# EAGLE board Mk4 Final a Panel score (EAGLE 9.0.1), part 21 of 24 (continued)
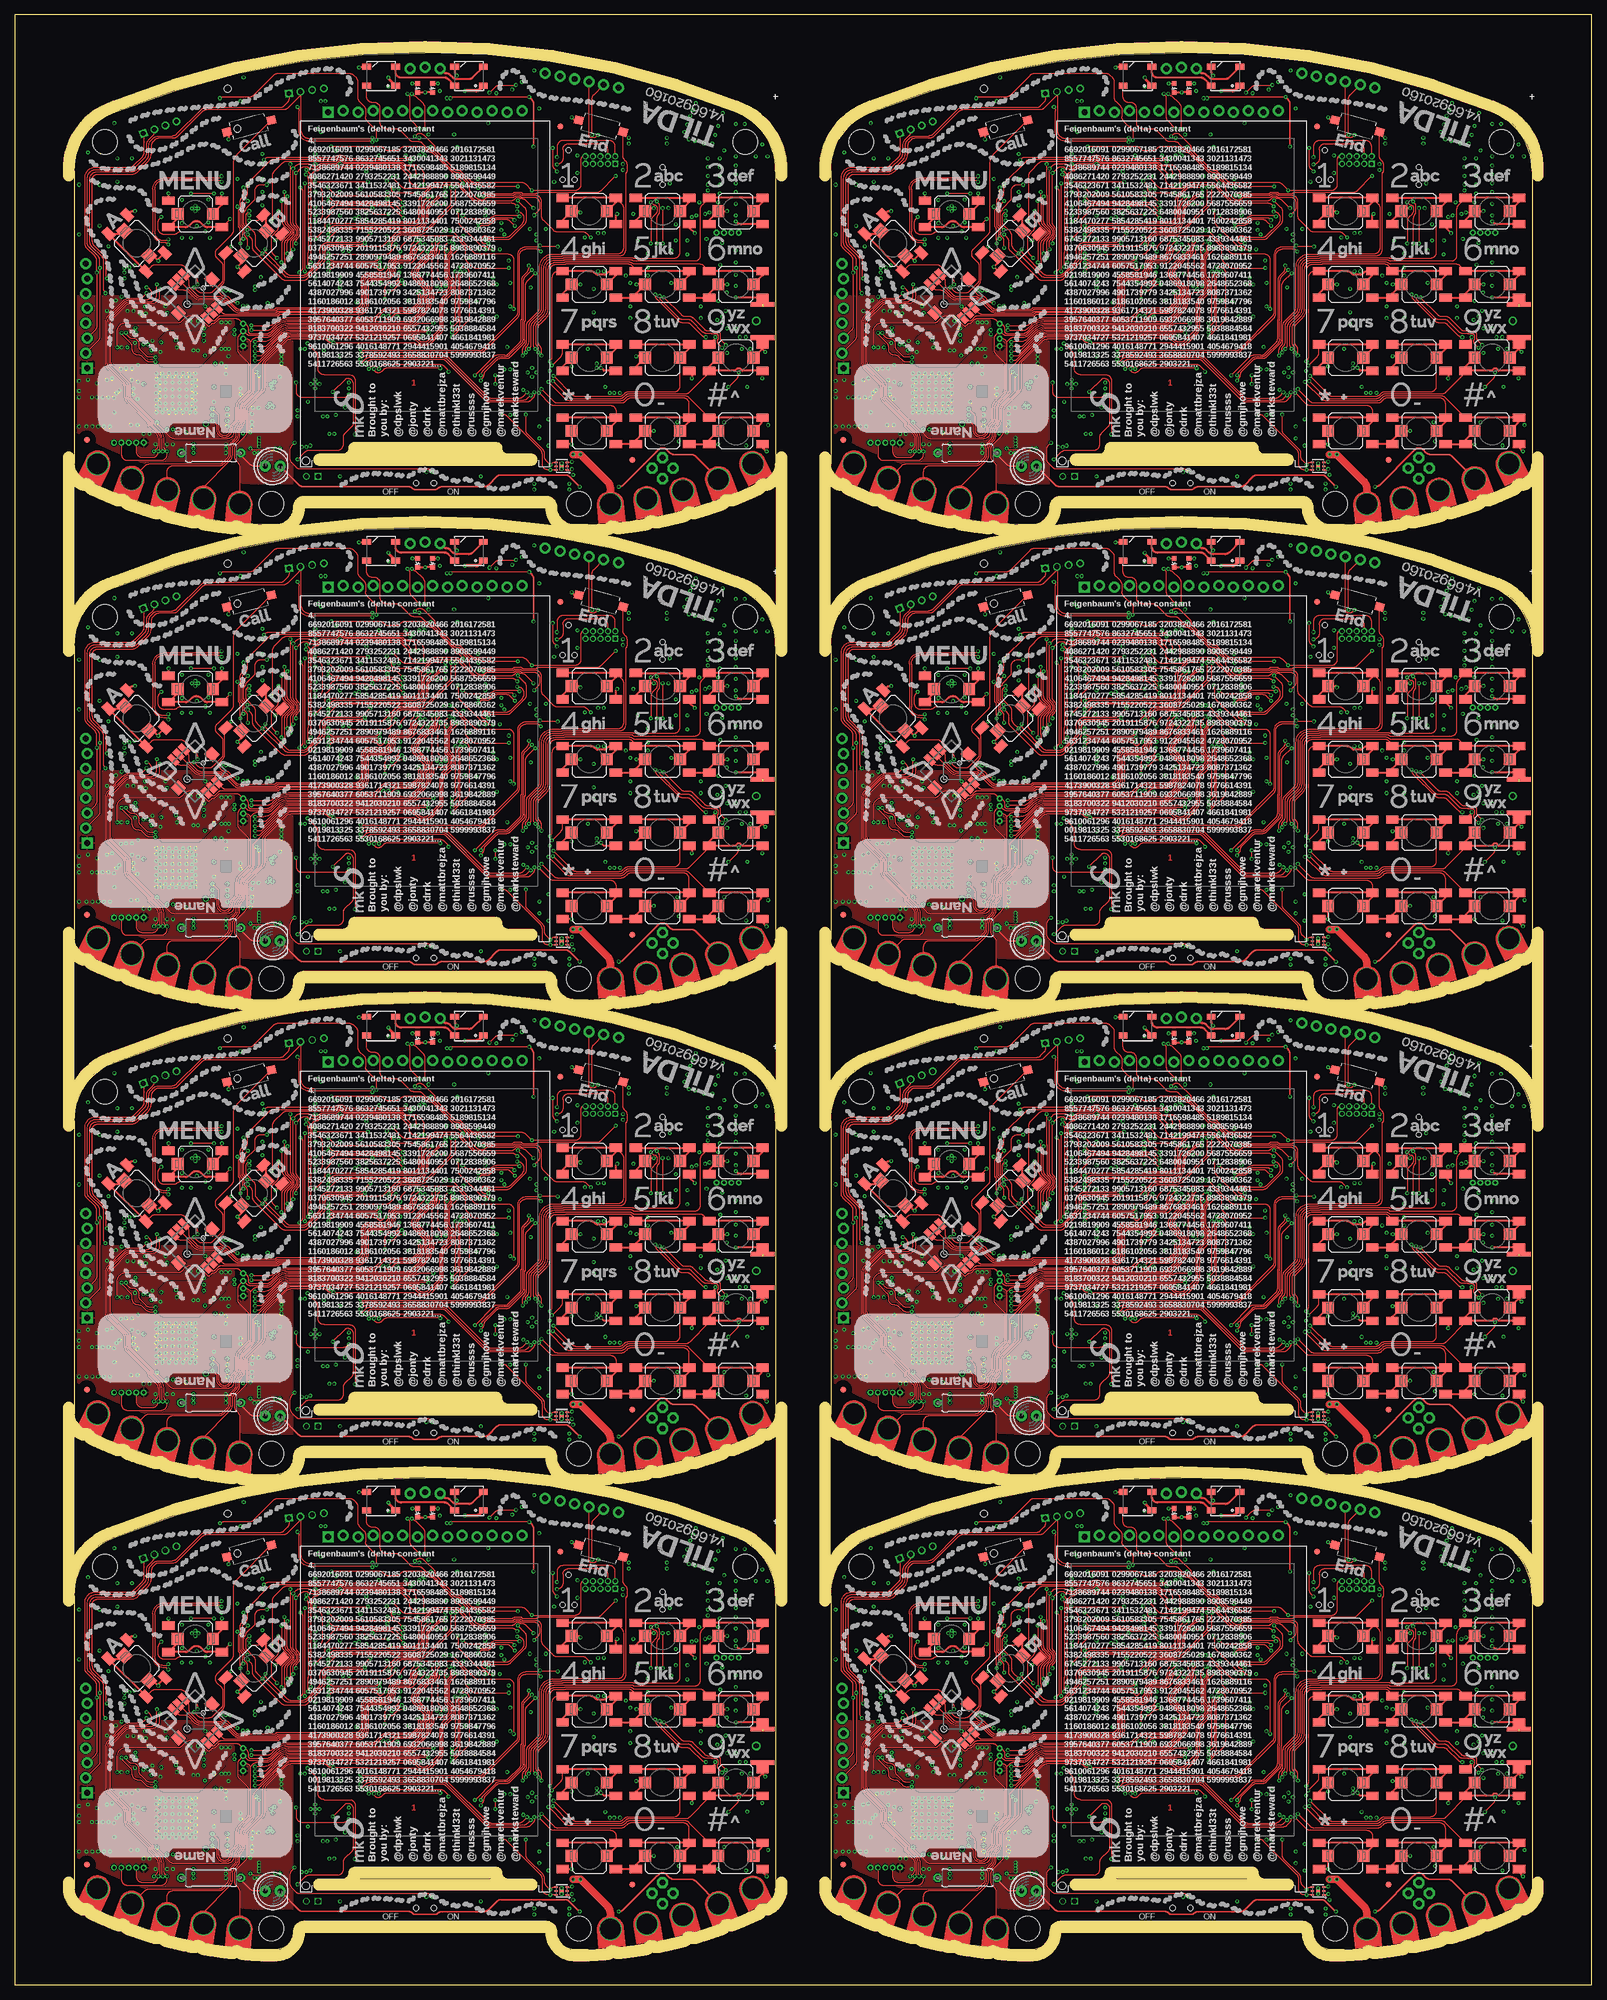
[diagram p0: board, top side]
## Tracks (layer width: path | path; a pad name or v marks a point on that pad's centre or on a via) (continued)
  Bottom 0.15: IC29.55 161.35,29.25 arc-90 162.35,28.25 162.35,26.35 arc45 162.41,26.21 162.47,26.15 arc-45 162.53,26.01 162.53,25.98 v162.75,25.75 R146.1 | IC20.116 202,57.6 arc90 201,56.6 v201,54.5
UART3_CC_RX2  (via drill 0.3)
  Top 0.15: v33.75,106.75 34.46,106.04 arc-45 34.75,105.34 34.75,103.25 arc90 35.75,102.25 35.8,102.25 arc90 36.8,103.25 arc-45 37.24,104.31 37.51,104.58 arc45 37.8,105.29 37.8,106.95 arc-45 38.31,108.19 39.66,109.53 arc45 39.95,110.24 39.95,114.14 arc45 39.66,114.84 38.29,116.21 arc-45 38,116.91 38,118.63 arc-45 38.29,119.33 JP25.3 39.04,120.04 39.48,119.59 arc45 40.19,119.3 42.94,119.3 arc45 43.82,119.67 44.68,120.52 arc-45 46.8,121.4 67.01,121.4 arc45 67.9,121.77 70.11,123.98 arc45 70.4,124.68 70.4,125.19 arc-45 70.55,125.55 70.75,125.75 arc45 70.9,126.11 70.9,126.98 arc45 70.53,127.87 69.1,129.3 arc-90 69.1,130.71 71.45,133.06 arc45 71.6,133.42 71.6,133.43 arc-45 71.75,133.78 arc45 71.83,133.97 71.83,135.12 arc-45 71.97,135.47 v72,135.5
  Bottom 0.15: IC47.55 32.35,110.25 arc-90 33.35,109.25 33.35,107.35 arc45 33.41,107.21 33.47,107.15 arc-45 33.52,107.01 33.52,106.97 v33.75,106.75 R224.1 | IC38.116 73,138.6 arc90 72,137.6 v72,135.5
UART3_CC_RX3  (via drill 0.3)
  Top 0.15: v162.75,106.75 163.46,106.04 arc-45 163.75,105.34 163.75,103.25 arc90 164.75,102.25 164.8,102.25 arc90 165.8,103.25 arc-45 166.24,104.31 166.51,104.58 arc45 166.8,105.29 166.8,106.95 arc-45 167.31,108.19 168.66,109.53 arc45 168.95,110.24 168.95,114.14 arc45 168.66,114.84 167.29,116.21 arc-45 167,116.91 167,118.63 arc-45 167.29,119.33 JP34.3 168.04,120.04 168.48,119.59 arc45 169.19,119.3 171.94,119.3 arc45 172.82,119.67 173.68,120.52 arc-45 175.8,121.4 196.01,121.4 arc45 196.9,121.77 199.11,123.98 arc45 199.4,124.68 199.4,125.19 arc-45 199.55,125.55 199.75,125.75 arc45 199.9,126.11 199.9,126.98 arc45 199.53,127.87 198.1,129.3 arc-90 198.1,130.71 200.45,133.06 arc45 200.6,133.42 200.6,133.43 arc-45 200.75,133.78 arc45 200.82,133.97 200.82,135.12 arc-45 200.97,135.47 v201,135.5
  Bottom 0.15: IC65.55 161.35,110.25 arc-90 162.35,109.25 162.35,107.35 arc45 162.41,107.21 162.47,107.15 arc-45 162.53,107.01 162.53,106.97 v162.75,106.75 R302.1 | IC56.116 202,138.6 arc90 201,137.6 v201,135.5
UART3_CC_RX4  (via drill 0.3)
  Top 0.15: v33.75,187.75 34.46,187.04 arc-45 34.75,186.34 34.75,184.25 arc90 35.75,183.25 35.8,183.25 arc90 36.8,184.25 arc-45 37.24,185.31 37.51,185.58 arc45 37.8,186.29 37.8,187.95 arc-45 38.31,189.19 39.66,190.53 arc45 39.95,191.24 39.95,195.14 arc45 39.66,195.84 38.29,197.21 arc-45 38,197.91 38,199.63 arc-45 38.29,200.33 JP43.3 39.04,201.04 39.48,200.59 arc45 40.19,200.3 42.94,200.3 arc45 43.82,200.67 44.68,201.52 arc-45 46.8,202.4 67.01,202.4 arc45 67.9,202.77 70.11,204.98 arc45 70.4,205.68 70.4,206.19 arc-45 70.55,206.55 70.75,206.75 arc45 70.9,207.11 70.9,207.98 arc45 70.53,208.87 69.1,210.3 arc-90 69.1,211.71 71.45,214.06 arc45 71.6,214.42 71.6,214.43 arc-45 71.75,214.78 arc45 71.83,214.97 71.83,216.12 arc-45 71.97,216.47 v72,216.5
  Bottom 0.15: IC83.55 32.35,191.25 arc-90 33.35,190.25 33.35,188.35 arc45 33.41,188.21 33.47,188.15 arc-45 33.52,188.01 33.52,187.97 v33.75,187.75 R380.1 | IC74.116 73,219.6 arc90 72,218.6 v72,216.5
UART3_CC_RX5  (via drill 0.3)
  Top 0.15: v162.75,187.75 163.46,187.04 arc-45 163.75,186.34 163.75,184.25 arc90 164.75,183.25 164.8,183.25 arc90 165.8,184.25 arc-45 166.24,185.31 166.51,185.58 arc45 166.8,186.29 166.8,187.95 arc-45 167.31,189.19 168.66,190.53 arc45 168.95,191.24 168.95,195.14 arc45 168.66,195.84 167.29,197.21 arc-45 167,197.91 167,199.63 arc-45 167.29,200.33 JP52.3 168.04,201.04 168.48,200.59 arc45 169.19,200.3 171.94,200.3 arc45 172.82,200.67 173.68,201.52 arc-45 175.8,202.4 196.01,202.4 arc45 196.9,202.77 199.11,204.98 arc45 199.4,205.68 199.4,206.19 arc-45 199.55,206.55 199.75,206.75 arc45 199.9,207.11 199.9,207.98 arc45 199.53,208.87 198.1,210.3 arc-90 198.1,211.71 200.45,214.06 arc45 200.6,214.42 200.6,214.43 arc-45 200.75,214.78 arc45 200.82,214.97 200.82,216.12 arc-45 200.97,216.47 v201,216.5
  Bottom 0.15: IC101.55 161.35,191.25 arc-90 162.35,190.25 162.35,188.35 arc45 162.41,188.21 162.47,188.15 arc-45 162.53,188.01 162.53,187.97 v162.75,187.75 R458.1 | IC92.116 202,219.6 arc90 201,218.6 v201,216.5
UART3_CC_RX6  (via drill 0.3)
  Top 0.15: v33.75,268.75 34.46,268.04 arc-45 34.75,267.34 34.75,265.25 arc90 35.75,264.25 35.8,264.25 arc90 36.8,265.25 arc-45 37.24,266.31 37.51,266.58 arc45 37.8,267.29 37.8,268.95 arc-45 38.31,270.19 39.66,271.53 arc45 39.95,272.24 39.95,276.14 arc45 39.66,276.84 38.29,278.21 arc-45 38,278.91 38,280.63 arc-45 38.29,281.33 JP61.3 39.04,282.04 39.48,281.59 arc45 40.19,281.3 42.94,281.3 arc45 43.82,281.67 44.68,282.52 arc-45 46.8,283.4 67.01,283.4 arc45 67.9,283.77 70.11,285.98 arc45 70.4,286.68 70.4,287.19 arc-45 70.55,287.55 70.75,287.75 arc45 70.9,288.11 70.9,288.98 arc45 70.53,289.87 69.1,291.3 arc-90 69.1,292.71 71.45,295.06 arc45 71.6,295.42 71.6,295.43 arc-45 71.75,295.78 arc45 71.83,295.97 71.83,297.12 arc-45 71.97,297.47 v72,297.5
  Bottom 0.15: IC119.55 32.35,272.25 arc-90 33.35,271.25 33.35,269.35 arc45 33.41,269.21 33.47,269.15 arc-45 33.52,269.01 33.52,268.98 v33.75,268.75 R536.1 | IC110.116 73,300.6 arc90 72,299.6 v72,297.5
UART3_CC_RX7  (via drill 0.3)
  Top 0.15: v162.75,268.75 163.46,268.04 arc-45 163.75,267.34 163.75,265.25 arc90 164.75,264.25 164.8,264.25 arc90 165.8,265.25 arc-45 166.24,266.31 166.51,266.58 arc45 166.8,267.29 166.8,268.95 arc-45 167.31,270.19 168.66,271.53 arc45 168.95,272.24 168.95,276.14 arc45 168.66,276.84 167.29,278.21 arc-45 167,278.91 167,280.63 arc-45 167.29,281.33 JP70.3 168.04,282.04 168.48,281.59 arc45 169.19,281.3 171.94,281.3 arc45 172.82,281.67 173.68,282.52 arc-45 175.8,283.4 196.01,283.4 arc45 196.9,283.77 199.11,285.98 arc45 199.4,286.68 199.4,287.19 arc-45 199.55,287.55 199.75,287.75 arc45 199.9,288.11 199.9,288.98 arc45 199.53,289.87 198.1,291.3 arc-90 198.1,292.71 200.45,295.06 arc45 200.6,295.42 200.6,295.43 arc-45 200.75,295.78 arc45 200.82,295.97 200.82,297.12 arc-45 200.97,297.47 v201,297.5
  Bottom 0.15: IC137.55 161.35,272.25 arc-90 162.35,271.25 162.35,269.35 arc45 162.41,269.21 162.47,269.15 arc-45 162.53,269.01 162.53,268.98 v162.75,268.75 R614.1 | IC128.116 202,300.6 arc90 201,299.6 v201,297.5
UART3_CC_TX  (via drill 0.3)
  Top 0.15: v33.75,23.75 34.45,23.05 34.45,22.2 arc90 35.7,20.95 35.85,20.95 arc90 37.1,22.2 arc-45 37.49,23.14 37.73,23.38 arc45 38.1,24.27 38.1,25.62 arc-45 38.76,27.21 39.88,28.33 arc45 40.25,29.22 40.25,37.25 | 40.25,37.25 40.71,37.71 arc-45 41.41,38 42.96,38 arc45 44.02,38.44 44.88,39.3 arc-45 46.82,40.1 67.03,40.1 arc45 68.09,40.54 70.41,42.85 arc45 70.7,43.56 70.7,44.02 arc-45 70.85,44.37 71.05,44.58 arc45 71.2,44.93 71.2,51.09 arc-45 71.41,51.59 71.75,51.94 arc45 71.9,52.29 71.9,52.3 arc-45 72.05,52.66 arc45 72.12,52.84 72.12,53.67 arc-45 72.27,54.02 v72.75,54.5 | JP5.2 39.32,37.77 arc-45 40.02,37.48 40.25,37.25
  Bottom 0.15: IC15.57 arc-90 32.65,27.55 32.65,26.06 arc45 32.71,25.92 32.77,25.86 arc-45 32.83,25.72 32.83,25.09 arc45 33.12,24.38 v33.75,23.75 R69.1 | v72.75,54.5 72.75,56.27 arc-90 73.75,57.27 75.62,57.27 75.69,57.2 IC1.117
UART3_CC_TX1  (via drill 0.3)
  Top 0.15: v162.75,23.75 163.45,23.05 163.45,22.2 arc90 164.7,20.95 164.85,20.95 arc90 166.1,22.2 arc-45 166.49,23.14 166.73,23.38 arc45 167.1,24.27 167.1,25.62 arc-45 167.76,27.21 168.88,28.33 arc45 169.25,29.22 169.25,37.25 | 169.25,37.25 169.71,37.71 arc-45 170.41,38 171.96,38 arc45 173.02,38.44 173.88,39.3 arc-45 175.82,40.1 196.03,40.1 arc45 197.09,40.54 199.41,42.85 arc45 199.7,43.56 199.7,44.02 arc-45 199.85,44.37 200.05,44.58 arc45 200.2,44.93 200.2,51.09 arc-45 200.41,51.59 200.75,51.94 arc45 200.9,52.29 200.9,52.3 arc-45 201.05,52.66 arc45 201.12,52.84 201.12,53.67 arc-45 201.27,54.02 v201.75,54.5 | JP16.2 168.32,37.77 arc-45 169.02,37.48 169.25,37.25
  Bottom 0.15: IC29.57 arc-90 161.65,27.55 161.65,26.06 arc45 161.71,25.92 161.77,25.86 arc-45 161.82,25.72 161.82,25.09 arc45 162.12,24.38 v162.75,23.75 R147.1 | v201.75,54.5 201.75,56.27 arc-90 202.75,57.27 204.62,57.27 204.69,57.2 IC20.117
UART3_CC_TX2  (via drill 0.3)
  Top 0.15: v33.75,104.75 34.45,104.05 34.45,103.2 arc90 35.7,101.95 35.85,101.95 arc90 37.1,103.2 arc-45 37.49,104.14 37.73,104.38 arc45 38.1,105.27 38.1,106.62 arc-45 38.76,108.21 39.88,109.33 arc45 40.25,110.22 40.25,118.25 | 40.25,118.25 40.71,118.71 arc-45 41.41,119 42.96,119 arc45 44.02,119.44 44.88,120.3 arc-45 46.82,121.1 67.03,121.1 arc45 68.09,121.54 70.41,123.85 arc45 70.7,124.56 70.7,125.02 arc-45 70.85,125.37 71.05,125.58 arc45 71.2,125.93 71.2,132.09 arc-45 71.41,132.59 71.75,132.94 arc45 71.9,133.29 71.9,133.3 arc-45 72.05,133.66 arc45 72.12,133.84 72.12,134.67 arc-45 72.27,135.02 v72.75,135.5 | JP25.2 39.32,118.77 arc-45 40.02,118.48 40.25,118.25
  Bottom 0.15: IC47.57 arc-90 32.65,108.55 32.65,107.06 arc45 32.71,106.92 32.77,106.86 arc-45 32.83,106.72 32.83,106.09 arc45 33.12,105.38 v33.75,104.75 R225.1 | v72.75,135.5 72.75,137.28 arc-90 73.75,138.28 75.62,138.28 75.69,138.2 IC38.117
UART3_CC_TX3  (via drill 0.3)
  Top 0.15: v162.75,104.75 163.45,104.05 163.45,103.2 arc90 164.7,101.95 164.85,101.95 arc90 166.1,103.2 arc-45 166.49,104.14 166.73,104.38 arc45 167.1,105.27 167.1,106.62 arc-45 167.76,108.21 168.88,109.33 arc45 169.25,110.22 169.25,118.25 | 169.25,118.25 169.71,118.71 arc-45 170.41,119 171.96,119 arc45 173.02,119.44 173.88,120.3 arc-45 175.82,121.1 196.03,121.1 arc45 197.09,121.54 199.41,123.85 arc45 199.7,124.56 199.7,125.02 arc-45 199.85,125.37 200.05,125.58 arc45 200.2,125.93 200.2,132.09 arc-45 200.41,132.59 200.75,132.94 arc45 200.9,133.29 200.9,133.3 arc-45 201.05,133.66 arc45 201.12,133.84 201.12,134.67 arc-45 201.27,135.02 v201.75,135.5 | JP34.2 168.32,118.77 arc-45 169.02,118.48 169.25,118.25
  Bottom 0.15: IC65.57 arc-90 161.65,108.55 161.65,107.06 arc45 161.71,106.92 161.77,106.86 arc-45 161.82,106.72 161.82,106.09 arc45 162.12,105.38 v162.75,104.75 R303.1 | v201.75,135.5 201.75,137.28 arc-90 202.75,138.28 204.62,138.28 204.69,138.2 IC56.117
UART3_CC_TX4  (via drill 0.3)
  Top 0.15: v33.75,185.75 34.45,185.05 34.45,184.2 arc90 35.7,182.95 35.85,182.95 arc90 37.1,184.2 arc-45 37.49,185.14 37.73,185.38 arc45 38.1,186.27 38.1,187.62 arc-45 38.76,189.21 39.88,190.33 arc45 40.25,191.22 40.25,199.25 | 40.25,199.25 40.71,199.71 arc-45 41.41,200 42.96,200 arc45 44.02,200.44 44.88,201.29 arc-45 46.82,202.1 67.03,202.1 arc45 68.09,202.54 70.41,204.85 arc45 70.7,205.56 70.7,206.02 arc-45 70.85,206.37 71.05,206.58 arc45 71.2,206.93 71.2,213.09 arc-45 71.41,213.59 71.75,213.94 arc45 71.9,214.29 71.9,214.3 arc-45 72.05,214.66 arc45 72.12,214.84 72.12,215.67 arc-45 72.27,216.02 v72.75,216.5 | JP43.2 39.32,199.77 arc-45 40.02,199.48 40.25,199.25
  Bottom 0.15: IC83.57 arc-90 32.65,189.55 32.65,188.06 arc45 32.71,187.92 32.77,187.86 arc-45 32.83,187.72 32.83,187.09 arc45 33.12,186.38 v33.75,185.75 R381.1 | v72.75,216.5 72.75,218.28 arc-90 73.75,219.28 75.62,219.28 75.69,219.2 IC74.117
UART3_CC_TX5  (via drill 0.3)
  Top 0.15: v162.75,185.75 163.45,185.05 163.45,184.2 arc90 164.7,182.95 164.85,182.95 arc90 166.1,184.2 arc-45 166.49,185.14 166.73,185.38 arc45 167.1,186.27 167.1,187.62 arc-45 167.76,189.21 168.88,190.33 arc45 169.25,191.22 169.25,199.25 | 169.25,199.25 169.71,199.71 arc-45 170.41,200 171.96,200 arc45 173.02,200.44 173.88,201.29 arc-45 175.82,202.1 196.03,202.1 arc45 197.09,202.54 199.41,204.85 arc45 199.7,205.56 199.7,206.02 arc-45 199.85,206.37 200.05,206.58 arc45 200.2,206.93 200.2,213.09 arc-45 200.41,213.59 200.75,213.94 arc45 200.9,214.29 200.9,214.3 arc-45 201.05,214.66 arc45 201.12,214.84 201.12,215.67 arc-45 201.27,216.02 v201.75,216.5 | JP52.2 168.32,199.77 arc-45 169.02,199.48 169.25,199.25
  Bottom 0.15: IC101.57 arc-90 161.65,189.55 161.65,188.06 arc45 161.71,187.92 161.77,187.86 arc-45 161.82,187.72 161.82,187.09 arc45 162.12,186.38 v162.75,185.75 R459.1 | v201.75,216.5 201.75,218.28 arc-90 202.75,219.28 204.62,219.28 204.69,219.2 IC92.117
UART3_CC_TX6  (via drill 0.3)
  Top 0.15: v33.75,266.75 34.45,266.05 34.45,265.2 arc90 35.7,263.95 35.85,263.95 arc90 37.1,265.2 arc-45 37.49,266.14 37.73,266.38 arc45 38.1,267.27 38.1,268.62 arc-45 38.76,270.21 39.88,271.33 arc45 40.25,272.22 40.25,280.25 | 40.25,280.25 40.71,280.71 arc-45 41.41,281 42.96,281 arc45 44.02,281.44 44.88,282.3 arc-45 46.82,283.1 67.03,283.1 arc45 68.09,283.54 70.41,285.85 arc45 70.7,286.56 70.7,287.02 arc-45 70.85,287.37 71.05,287.58 arc45 71.2,287.93 71.2,294.09 arc-45 71.41,294.59 71.75,294.94 arc45 71.9,295.29 71.9,295.3 arc-45 72.05,295.65 arc45 72.12,295.85 72.12,296.67 arc-45 72.27,297.02 v72.75,297.5 | JP61.2 39.32,280.77 arc-45 40.02,280.48 40.25,280.25
  Bottom 0.15: IC119.57 arc-90 32.65,270.55 32.65,269.06 arc45 32.71,268.92 32.77,268.86 arc-45 32.83,268.72 32.83,268.09 arc45 33.12,267.38 v33.75,266.75 R537.1 | v72.75,297.5 72.75,299.27 arc-90 73.75,300.27 75.62,300.27 75.69,300.2 IC110.117
UART3_CC_TX7  (via drill 0.3)
  Top 0.15: v162.75,266.75 163.45,266.05 163.45,265.2 arc90 164.7,263.95 164.85,263.95 arc90 166.1,265.2 arc-45 166.49,266.14 166.73,266.38 arc45 167.1,267.27 167.1,268.62 arc-45 167.76,270.21 168.88,271.33 arc45 169.25,272.22 169.25,280.25 | 169.25,280.25 169.71,280.71 arc-45 170.41,281 171.96,281 arc45 173.02,281.44 173.88,282.3 arc-45 175.82,283.1 196.03,283.1 arc45 197.09,283.54 199.41,285.85 arc45 199.7,286.56 199.7,287.02 arc-45 199.85,287.37 200.05,287.58 arc45 200.2,287.93 200.2,294.09 arc-45 200.41,294.59 200.75,294.94 arc45 200.9,295.29 200.9,295.3 arc-45 201.05,295.65 arc45 201.12,295.85 201.12,296.67 arc-45 201.27,297.02 v201.75,297.5 | JP70.2 168.32,280.77 arc-45 169.02,280.48 169.25,280.25
  Bottom 0.15: IC137.57 arc-90 161.65,270.55 161.65,269.06 arc45 161.71,268.92 161.77,268.86 arc-45 161.82,268.72 161.82,268.09 arc45 162.12,267.38 v162.75,266.75 R615.1 | v201.75,297.5 201.75,299.27 arc-90 202.75,300.27 204.62,300.27 204.69,300.2 IC128.117
UART4_EXT_RX  (via drill 0.3)
  Top 0.15: PCB.CH3 26.04,15.1 arc-90 27.04,16.1 34.88,16.1 arc45 35.77,16.47 36.48,17.18 arc45 36.85,18.07 36.85,18.93 arc-45 37.29,19.99 37.73,20.43 arc45 38.1,21.32 38.1,21.86 arc-45 38.47,22.74 arc45 39,24.03 39,25.55 arc-45 39.44,26.61 41.41,28.58 arc45 41.7,29.29 v41.7,31.5 | v69.4,45.7 69.35,45.65 arc45 69.2,45.29 69.2,44.37 arc-45 68.83,43.48 68.42,43.07 arc-45 67.53,42.7 63.61,42.7 arc45 62.91,42.41 61.87,41.37 arc-45 60.98,41 46.76,41 arc45 44.38,40.08 43.8,39.49 arc-45 43.09,39.2 v40.4,39.2
  Top 0.2: J10.1 arc-45 22.1,72.32 22.1,69.51 arc-45 21.81,68.81 20.29,67.29 arc-45 19.59,67 13.75,67 arc90 12,65.25 12,53.91 arc45 12.29,53.21 13.71,51.79 arc-45 14,51.09 v14,49 14,39.87 arc-45 13.71,39.16 JP6.3
  3V3@2 0.15: 26,11.87 PCB.CH3 | v40.4,39.2 40.3,39.2 39.75,39.75 39.75,40.73 38.95,41.53 v38.95,43.35 | v18.7,49 v14,49
  Bottom 0.15: v69.4,45.7 69.32,45.78 arc-45 69.18,46.13 69.18,47.37 arc45 69.03,47.72 68.85,47.9 arc-45 68.7,48.26 68.7,49.26 arc-45 68.99,49.97 69.11,50.08 arc45 69.4,50.79 IC1.18 | v40.4,39.2 arc-45 40.91,38.99 41.71,38.19 arc-45 42,37.49 42,32.21 arc-45 v41.71,31.51 v41.7,31.5 | v18.7,49 30.41,49 arc-45 31.12,48.71 32.71,47.11 arc45 33.95,46.6 36.9,46.6 arc-90 37.9,45.6 37.9,45.03 arc45 38.03,44.73 38.63,44.12 arc-45 v38.95,43.35
  Bottom 0.3: J10.5 J10.1
UART4_EXT_RX1  (via drill 0.3)
  Top 0.15: PCB1.CH3 155.04,15.1 arc-90 156.04,16.1 163.88,16.1 arc45 164.77,16.47 165.48,17.18 arc45 165.85,18.07 165.85,18.93 arc-45 166.29,19.99 166.73,20.43 arc45 167.1,21.32 167.1,21.86 arc-45 167.47,22.74 arc45 168,24.03 168,25.55 arc-45 168.44,26.61 170.41,28.58 arc45 170.7,29.29 v170.7,31.5 | v198.4,45.7 198.35,45.65 arc45 198.2,45.29 198.2,44.37 arc-45 197.83,43.48 197.42,43.07 arc-45 196.53,42.7 192.61,42.7 arc45 191.91,42.41 190.87,41.37 arc-45 189.98,41 175.76,41 arc45 173.38,40.08 172.8,39.49 arc-45 172.09,39.2 v169.4,39.2
  Top 0.2: J16.1 arc-45 151.1,72.32 151.1,69.51 arc-45 150.81,68.81 149.29,67.29 arc-45 148.59,67 142.75,67 arc90 141,65.25 141,53.91 arc45 141.29,53.21 142.71,51.79 arc-45 143,51.09 v143,49 143,39.87 arc-45 142.71,39.16 JP17.3
  3V3@2 0.15: 155,11.87 PCB1.CH3 | v169.4,39.2 169.3,39.2 168.75,39.75 168.75,40.73 167.95,41.53 v167.95,43.35 | v147.7,49 v143,49
  Bottom 0.15: v198.4,45.7 198.32,45.78 arc-45 198.18,46.13 198.18,47.37 arc45 198.03,47.72 197.85,47.9 arc-45 197.7,48.26 197.7,49.26 arc-45 197.99,49.97 198.11,50.08 arc45 198.4,50.79 IC20.18 | v169.4,39.2 arc-45 169.91,38.99 170.71,38.19 arc-45 171,37.49 171,32.21 arc-45 v170.71,31.51 v170.7,31.5 | v147.7,49 159.41,49 arc-45 160.12,48.71 161.71,47.11 arc45 162.95,46.6 165.9,46.6 arc-90 166.9,45.6 166.9,45.03 arc45 167.03,44.73 167.63,44.12 arc-45 v167.95,43.35
  Bottom 0.3: J16.5 J16.1
UART4_EXT_RX2  (via drill 0.3)
  Top 0.15: PCB2.CH3 26.04,96.1 arc-90 27.04,97.1 34.88,97.1 arc45 35.77,97.47 36.48,98.18 arc45 36.85,99.07 36.85,99.93 arc-45 37.29,100.99 37.73,101.43 arc45 38.1,102.32 38.1,102.86 arc-45 38.47,103.74 arc45 39,105.03 39,106.55 arc-45 39.44,107.61 41.41,109.58 arc45 41.7,110.29 v41.7,112.5 | v69.4,126.7 69.35,126.65 arc45 69.2,126.29 69.2,125.37 arc-45 68.83,124.48 68.42,124.07 arc-45 67.53,123.7 63.61,123.7 arc45 62.91,123.41 61.87,122.37 arc-45 60.98,122 46.76,122 arc45 44.38,121.08 43.8,120.49 arc-45 43.09,120.2 v40.4,120.2
  Top 0.2: J26.1 arc-45 22.1,153.32 22.1,150.51 arc-45 21.81,149.81 20.29,148.29 arc-45 19.59,148 13.75,148 arc90 12,146.25 12,134.91 arc45 12.29,134.21 13.71,132.79 arc-45 14,132.09 v14,130 14,120.87 arc-45 13.71,120.16 JP26.3
  3V3@2 0.15: 26,92.87 PCB2.CH3 | v40.4,120.2 40.3,120.2 39.75,120.75 39.75,121.73 38.95,122.53 v38.95,124.35 | v18.7,130 v14,130
  Bottom 0.15: v69.4,126.7 69.32,126.78 arc-45 69.18,127.13 69.18,128.37 arc45 69.03,128.72 68.85,128.9 arc-45 68.7,129.26 68.7,130.26 arc-45 68.99,130.97 69.11,131.08 arc45 69.4,131.79 IC38.18 | v40.4,120.2 arc-45 40.91,119.99 41.71,119.19 arc-45 42,118.49 42,113.21 arc-45 v41.71,112.51 v41.7,112.5 | v18.7,130 30.41,130 arc-45 31.12,129.71 32.71,128.11 arc45 33.95,127.6 36.9,127.6 arc-90 37.9,126.6 37.9,126.03 arc45 38.03,125.73 38.63,125.12 arc-45 v38.95,124.35
  Bottom 0.3: J26.5 J26.1
UART4_EXT_RX3  (via drill 0.3)
  Top 0.15: PCB3.CH3 155.04,96.1 arc-90 156.04,97.1 163.88,97.1 arc45 164.77,97.47 165.48,98.18 arc45 165.85,99.07 165.85,99.93 arc-45 166.29,100.99 166.73,101.43 arc45 167.1,102.32 167.1,102.86 arc-45 167.47,103.74 arc45 168,105.03 168,106.55 arc-45 168.44,107.61 170.41,109.58 arc45 170.7,110.29 v170.7,112.5 | v198.4,126.7 198.35,126.65 arc45 198.2,126.29 198.2,125.37 arc-45 197.83,124.48 197.42,124.07 arc-45 196.53,123.7 192.61,123.7 arc45 191.91,123.41 190.87,122.37 arc-45 189.98,122 175.76,122 arc45 173.38,121.08 172.8,120.49 arc-45 172.09,120.2 v169.4,120.2
  Top 0.2: J36.1 arc-45 151.1,153.32 151.1,150.51 arc-45 150.81,149.81 149.29,148.29 arc-45 148.59,148 142.75,148 arc90 141,146.25 141,134.91 arc45 141.29,134.21 142.71,132.79 arc-45 143,132.09 v143,130 143,120.87 arc-45 142.71,120.16 JP35.3
  3V3@2 0.15: 155,92.87 PCB3.CH3 | v169.4,120.2 169.3,120.2 168.75,120.75 168.75,121.73 167.95,122.53 v167.95,124.35 | v147.7,130 v143,130
  Bottom 0.15: v198.4,126.7 198.32,126.78 arc-45 198.18,127.13 198.18,128.37 arc45 198.03,128.72 197.85,128.9 arc-45 197.7,129.26 197.7,130.26 arc-45 197.99,130.97 198.11,131.08 arc45 198.4,131.79 IC56.18 | v169.4,120.2 arc-45 169.91,119.99 170.71,119.19 arc-45 171,118.49 171,113.21 arc-45 v170.71,112.51 v170.7,112.5 | v147.7,130 159.41,130 arc-45 160.12,129.71 161.71,128.11 arc45 162.95,127.6 165.9,127.6 arc-90 166.9,126.6 166.9,126.03 arc45 167.03,125.73 167.63,125.12 arc-45 v167.95,124.35
  Bottom 0.3: J36.5 J36.1
UART4_EXT_RX4  (via drill 0.3)
  Top 0.15: PCB4.CH3 26.04,177.1 arc-90 27.04,178.1 34.88,178.1 arc45 35.77,178.47 36.48,179.18 arc45 36.85,180.07 36.85,180.93 arc-45 37.29,181.99 37.73,182.43 arc45 38.1,183.32 38.1,183.86 arc-45 38.47,184.74 arc45 39,186.03 39,187.55 arc-45 39.44,188.62 41.41,190.58 arc45 41.7,191.29 v41.7,193.5 | v69.4,207.7 69.35,207.65 arc45 69.2,207.29 69.2,206.37 arc-45 68.83,205.48 68.42,205.07 arc-45 67.53,204.7 63.61,204.7 arc45 62.91,204.41 61.87,203.37 arc-45 60.98,203 46.76,203 arc45 44.38,202.07 43.8,201.49 arc-45 43.09,201.2 v40.4,201.2
  Top 0.2: J46.1 arc-45 22.1,234.32 22.1,231.51 arc-45 21.81,230.81 20.29,229.29 arc-45 19.59,229 13.75,229 arc90 12,227.25 12,215.91 arc45 12.29,215.21 13.71,213.79 arc-45 14,213.09 v14,211 14,201.87 arc-45 13.71,201.16 JP44.3
  3V3@2 0.15: 26,173.87 PCB4.CH3 | v40.4,201.2 40.3,201.2 39.75,201.75 39.75,202.73 38.95,203.53 v38.95,205.35 | v18.7,211 v14,211
  Bottom 0.15: v69.4,207.7 69.32,207.78 arc-45 69.18,208.13 69.18,209.37 arc45 69.03,209.72 68.85,209.9 arc-45 68.7,210.26 68.7,211.26 arc-45 68.99,211.97 69.11,212.08 arc45 69.4,212.79 IC74.18 | v40.4,201.2 arc-45 40.91,200.99 41.71,200.19 arc-45 42,199.49 42,194.21 arc-45 v41.71,193.51 v41.7,193.5 | v18.7,211 30.41,211 arc-45 31.12,210.71 32.71,209.11 arc45 33.95,208.6 36.9,208.6 arc-90 37.9,207.6 37.9,207.03 arc45 38.03,206.73 38.63,206.12 arc-45 v38.95,205.35
  Bottom 0.3: J46.5 J46.1
UART4_EXT_RX5  (via drill 0.3)
  Top 0.15: PCB5.CH3 155.04,177.1 arc-90 156.04,178.1 163.88,178.1 arc45 164.77,178.47 165.48,179.18 arc45 165.85,180.07 165.85,180.93 arc-45 166.29,181.99 166.73,182.43 arc45 167.1,183.32 167.1,183.86 arc-45 167.47,184.74 arc45 168,186.03 168,187.55 arc-45 168.44,188.62 170.41,190.58 arc45 170.7,191.29 v170.7,193.5 | v198.4,207.7 198.35,207.65 arc45 198.2,207.29 198.2,206.37 arc-45 197.83,205.48 197.42,205.07 arc-45 196.53,204.7 192.61,204.7 arc45 191.91,204.41 190.87,203.37 arc-45 189.98,203 175.76,203 arc45 173.38,202.07 172.8,201.49 arc-45 172.09,201.2 v169.4,201.2
  Top 0.2: J56.1 arc-45 151.1,234.32 151.1,231.51 arc-45 150.81,230.81 149.29,229.29 arc-45 148.59,229 142.75,229 arc90 141,227.25 141,215.91 arc45 141.29,215.21 142.71,213.79 arc-45 143,213.09 v143,211 143,201.87 arc-45 142.71,201.16 JP53.3
  3V3@2 0.15: 155,173.87 PCB5.CH3 | v169.4,201.2 169.3,201.2 168.75,201.75 168.75,202.73 167.95,203.53 v167.95,205.35 | v147.7,211 v143,211
  Bottom 0.15: v198.4,207.7 198.32,207.78 arc-45 198.18,208.13 198.18,209.37 arc45 198.03,209.72 197.85,209.9 arc-45 197.7,210.26 197.7,211.26 arc-45 197.99,211.97 198.11,212.08 arc45 198.4,212.79 IC92.18 | v169.4,201.2 arc-45 169.91,200.99 170.71,200.19 arc-45 171,199.49 171,194.21 arc-45 v170.71,193.51 v170.7,193.5 | v147.7,211 159.41,211 arc-45 160.12,210.71 161.71,209.11 arc45 162.95,208.6 165.9,208.6 arc-90 166.9,207.6 166.9,207.03 arc45 167.03,206.73 167.63,206.12 arc-45 v167.95,205.35
  Bottom 0.3: J56.5 J56.1
UART4_EXT_RX6  (via drill 0.3)
  Top 0.15: PCB6.CH3 26.04,258.1 arc-90 27.04,259.1 34.88,259.1 arc45 35.77,259.47 36.48,260.18 arc45 36.85,261.07 36.85,261.93 arc-45 37.29,262.99 37.73,263.43 arc45 38.1,264.32 38.1,264.86 arc-45 38.47,265.74 arc45 39,267.03 39,268.55 arc-45 39.44,269.62 41.41,271.58 arc45 41.7,272.29 v41.7,274.5 | v69.4,288.7 69.35,288.65 arc45 69.2,288.29 69.2,287.37 arc-45 68.83,286.48 68.42,286.07 arc-45 67.53,285.7 63.61,285.7 arc45 62.91,285.41 61.87,284.37 arc-45 60.98,284 46.76,284 arc45 44.38,283.07 43.8,282.49 arc-45 43.09,282.2 v40.4,282.2
  Top 0.2: J66.1 arc-45 22.1,315.32 22.1,312.51 arc-45 21.81,311.81 20.29,310.29 arc-45 19.59,310 13.75,310 arc90 12,308.25 12,296.91 arc45 12.29,296.21 13.71,294.79 arc-45 14,294.09 v14,292 14,282.87 arc-45 13.71,282.16 JP62.3
  3V3@2 0.15: 26,254.87 PCB6.CH3 | v40.4,282.2 40.3,282.2 39.75,282.75 39.75,283.73 38.95,284.53 v38.95,286.35 | v18.7,292 v14,292
  Bottom 0.15: v69.4,288.7 69.32,288.78 arc-45 69.18,289.13 69.18,290.37 arc45 69.03,290.72 68.85,290.9 arc-45 68.7,291.26 68.7,292.26 arc-45 68.99,292.97 69.11,293.08 arc45 69.4,293.79 IC110.18 | v40.4,282.2 arc-45 40.91,281.99 41.71,281.19 arc-45 42,280.49 42,275.21 arc-45 v41.71,274.51 v41.7,274.5 | v18.7,292 30.41,292 arc-45 31.12,291.71 32.71,290.11 arc45 33.95,289.6 36.9,289.6 arc-90 37.9,288.6 37.9,288.03 arc45 38.03,287.73 38.63,287.12 arc-45 v38.95,286.35
  Bottom 0.3: J66.5 J66.1
UART4_EXT_RX7  (via drill 0.3)
  Top 0.15: PCB7.CH3 155.04,258.1 arc-90 156.04,259.1 163.88,259.1 arc45 164.77,259.47 165.48,260.18 arc45 165.85,261.07 165.85,261.93 arc-45 166.29,262.99 166.73,263.43 arc45 167.1,264.32 167.1,264.86 arc-45 167.47,265.74 arc45 168,267.03 168,268.55 arc-45 168.44,269.62 170.41,271.58 arc45 170.7,272.29 v170.7,274.5 | v198.4,288.7 198.35,288.65 arc45 198.2,288.29 198.2,287.37 arc-45 197.83,286.48 197.42,286.07 arc-45 196.53,285.7 192.61,285.7 arc45 191.91,285.41 190.87,284.37 arc-45 189.98,284 175.76,284 arc45 173.38,283.07 172.8,282.49 arc-45 172.09,282.2 v169.4,282.2